# Altium PCB GameBoard_V1I1.PcbDoc (part 19 of 22) (continued)
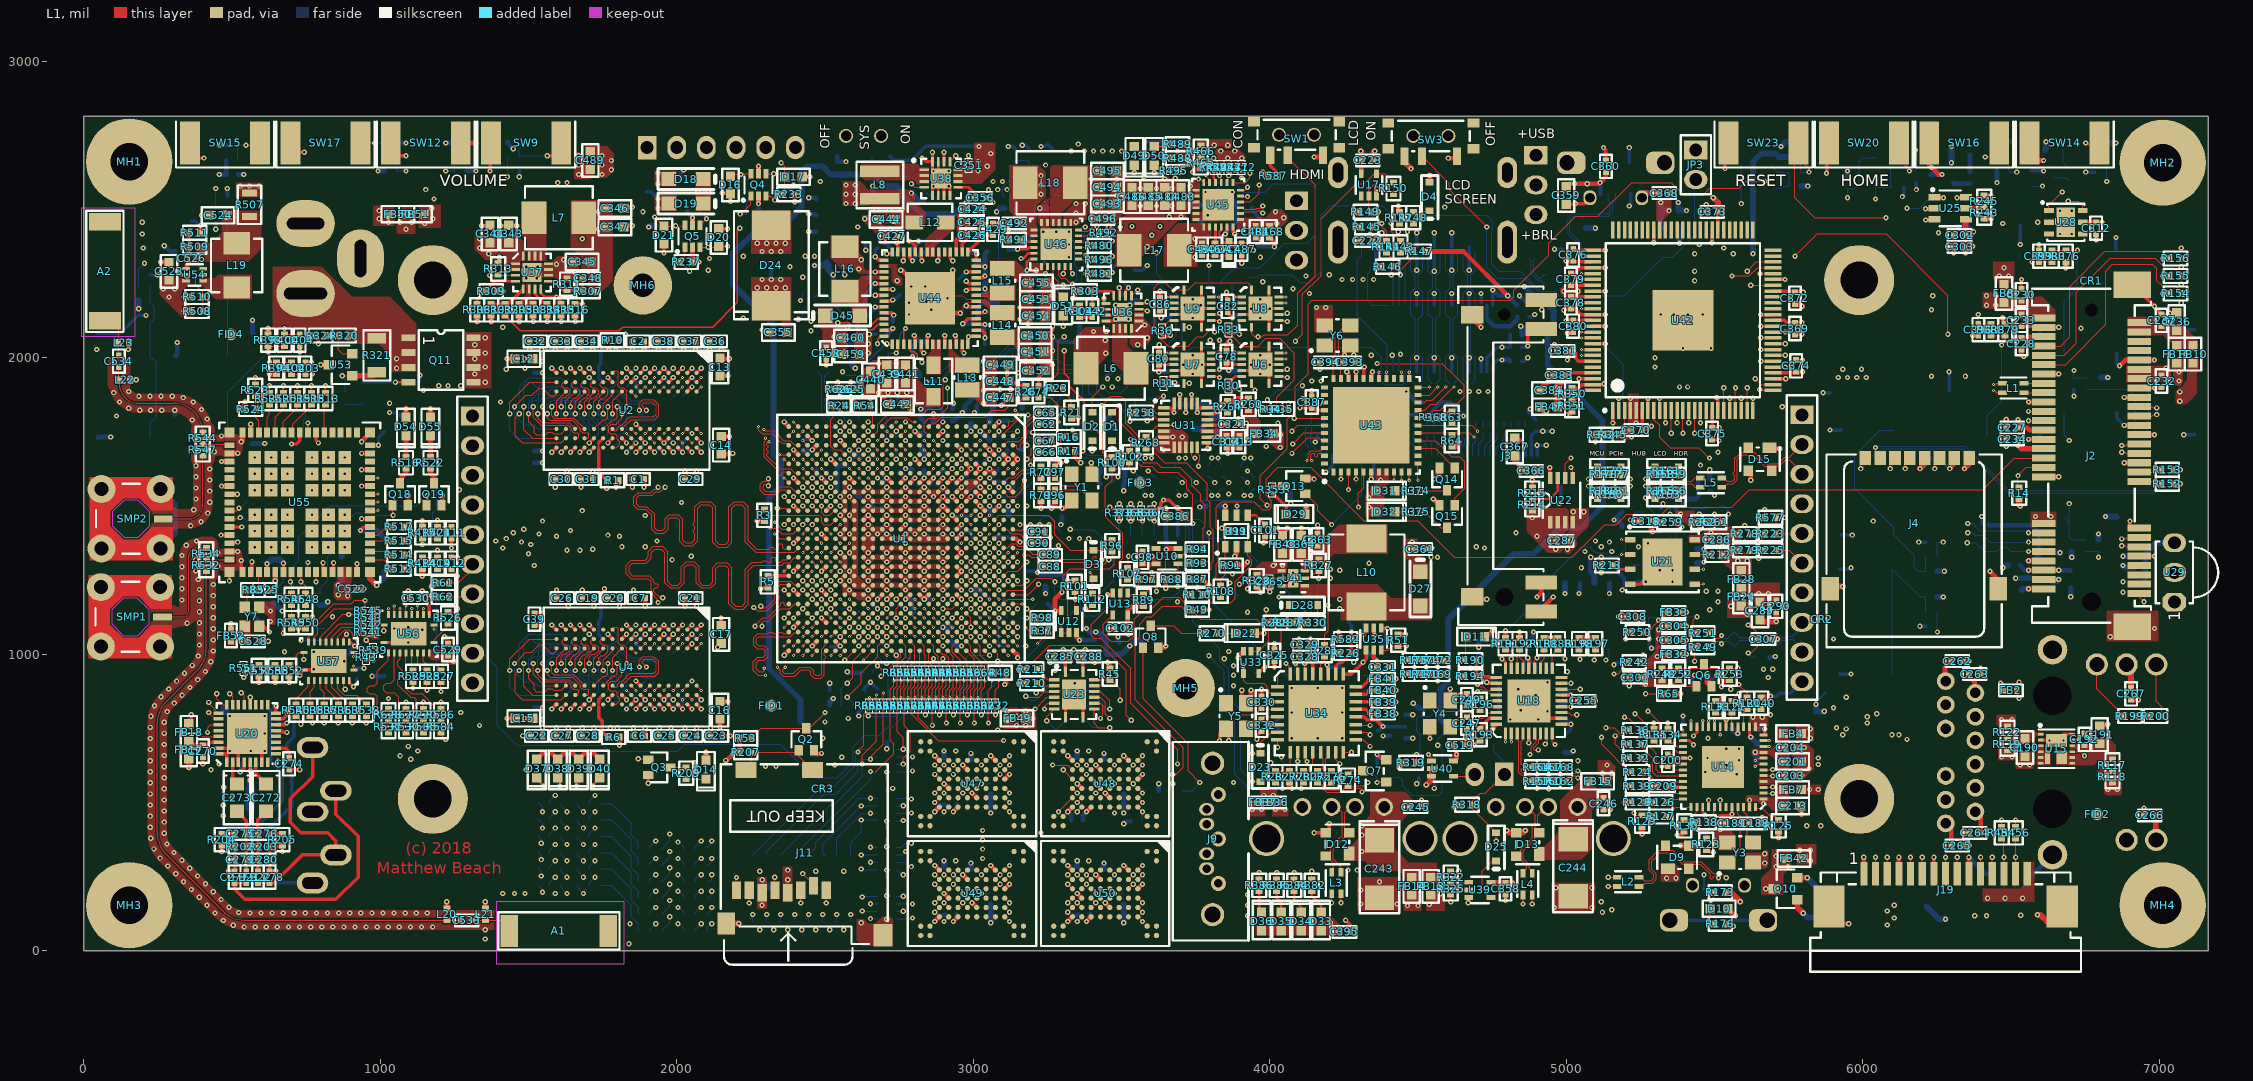
[diagram p0: L1 view]
## Nets (pads, with @x,y where several pads share a name; then routed paths per layer and width w, separated by ;. In a path a pad name is that pad's centre, name@x,y a point inside that pad or via, vN(x,y) a via of type N, cw(c..) or ccw(c..) an arc to the next point about the centre after c; other vN are vias at no path point) (continued)
  L12 w3.15: R293.2@4314.96,929.13 4326.77,929.13 v1(4338.58,917.32)
TS_Y-: C335.1 D30.3 FB40.2 LCD1.39 | length 1452.3
  L1 w11.81: FB40.2@4401.57,877.95 v1(4425.2,877.95)
  L10 w3.15: v6(4141.73,1740.16) 4134.84,1733.27 4134.84,1584.44 4152.35,1566.93 4181.1,1566.93 4441.93,1306.1 4441.93,1274.14 4441.93,1246.06 4447.83,1240.16 4466.02,1240.16 4471.93,1234.25 4471.93,1222.44 4466.02,1216.54 4429.95,1216.54 4424.05,1210.63 4424.05,1198.82 4429.95,1192.91 4466.02,1192.91 4471.93,1187.01 4471.93,1175.2 4466.02,1169.29 4431.1,1169.29 4425.19,1163.39 4425.19,1151.57 4431.1,1145.67 4466.02,1145.67 4471.93,1139.76 4471.93,1127.95 4466.02,1122.05 4431.1,1122.05 4425.19,1116.14 4425.19,1104.33 4431.1,1098.43 4436.02,1098.43 4441.93,1092.52 4441.93,975.39 4468.5,948.82 4468.5,905.51 4440.94,877.95 v1(4425.2,877.95)
  L11 w3.15: v6(4141.73,1740.16) v5(4141.73,1763.78)
  L12 w3.15: v5(4141.73,1763.78) 4141.73,1743.62 D30.3@4140.24,1742.12 4138.78,1740.66 4138.78,1708.66 4153.54,1693.9 LCD1.39@4153.54,1671.26 ; C335.1@4401.57,877.95 v1(4425.2,877.95)
TS_Y-_B: FB40.1 R292.2 U34.23 | length 100.8
  L1 w11.81: U34.23@4290.35,865.16 4325.79,865.16 v1(4338.58,877.95) FB40.1@4362.2,877.95
  L12 w3.15: R292.2@4314.96,877.95 v1(4338.58,877.95)
UART1_CTS: Q5.4 R236.1 R239.1 U1.G21 | length 2041
  L1 w3.15: Q5.4@2078.74,2446.85 v1(2100.39,2468.5) ; v2(2929.13,1122.05) U1.G21@2944.88,1137.8
  L10 w3.15: v1(2100.39,2468.5) 2125,2443.9 2125,2335.63 2330.71,2129.92 2330.71,2062.99 2518.7,1875 2518.7,1720.94 2562.99,1676.65 2562.99,1656.29 2576.56,1642.72 2666.34,1642.72 2696.85,1673.23 2766.52,1673.23 2818.9,1620.85 2818.9,1393.7 2807.09,1381.89 2807.09,1181.1 2818.9,1169.29 2905.51,1169.29 2929.13,1145.67 v2(2929.13,1122.05)
  L12 w3.15: R236.1@2074.8,2496.06 2100.39,2470.47 v1(2100.39,2468.5) 2076.77,2444.88 R239.1@2076.77,2433.07
UART1_CTS_FTDI: D20.1 J16.6 Q5.3 R239.2 | length 606.4
  L1 w3.15: Q5.3@2078.74,2372.05 v1(2106.3,2372.05) 2137.8,2372.05 D20.1@2141.73,2375.98 v1(2171.26,2375.98)
  L10 w3.15: v1(2171.26,2375.98) 2153.54,2393.7 2153.54,2467.73 2323.61,2637.8 2358.27,2637.8 2400.79,2680.32 2400.79,2708.66 J16.6@2389.76,2708.66
  L12 w3.15: R239.2@2076.77,2393.7 2084.65,2393.7 v1(2106.3,2372.05)
UART1_RTS: Q5.1 R237.1 R240.1 U1.G20 | length 2039.9
  L1 w3.15: Q5.1@2027.56,2372.05 2027.56,2338.58 R237.1@2011.81,2322.83 v1(2043.31,2291.34) ; v2(2897.64,1153.54) 2929.13,1153.54 U1.G20@2944.88,1169.29
  L10 w3.15: v1(2043.31,2291.34) 2070.87,2291.34 2094.49,2314.96 2113.84,2314.96 2224.41,2204.39 2243.76,2204.39 2314.96,2133.18 2314.96,2059.06 2510.83,1863.19 2510.83,1717.68 2555.12,1673.39 2555.12,1653.03 2573.3,1634.84 2609.25,1634.84 2632.87,1611.22 2655.51,1611.22 2685.04,1640.75 2777.77,1640.75 2787.4,1631.12 2787.4,1177.17 2811.02,1153.54 v2(2897.64,1153.54)
  L12 w3.15: R240.1@2025.59,2393.7 2025.59,2356.3 2043.31,2338.58 v1(2043.31,2291.34)
UART1_RTS_FTDI: D21.1 J16.2 Q5.6 R238.1 R240.2 | length 602.1
  L1 w3.15: v1(1925.2,2474.41) D21.1@1956.69,2442.91 1994.09,2442.91 v1(1996.06,2444.88) 2025.59,2444.88 Q5.6@2027.56,2446.85
  L10 w3.15: v1(1925.2,2474.41) 1946.08,2474.41 2000.79,2529.12 2000.79,2553.15 1994.88,2559.06 1976.69,2559.06 1970.79,2564.96 1970.79,2576.77 1976.69,2582.68 2021.34,2582.68 2027.25,2588.58 2027.25,2600.39 2021.34,2606.3 1976.69,2606.3 1970.79,2612.2 1970.79,2624.02 1976.69,2629.92 1994.88,2629.92 2000.79,2635.83 J16.2@2000.79,2708.66
  L12 w3.15: R238.1@1968.5,2444.88 v1(1996.06,2444.88) 2013.78,2444.88 R240.2@2025.59,2433.07
UART1_RXD: Q4.1 R231.1 R234.1 U1.M3 | length 2042.5
  L1 w3.15: v1(2214.14,2484.35) 2216.63,2484.35 2250,2517.72 Q4.1@2250,2545.28 ; v2(2771.65,1720.47) U1.M3@2787.4,1704.73
  L10 w3.15: v1(2214.14,2484.35) 2214.14,2497.09 2220.99,2503.94 2248.03,2503.94 2255.91,2511.81 2255.91,2547.24 2275.59,2566.93 2299.21,2566.93 2312.99,2553.15 2312.99,2487.2 2306.1,2480.31 2242.99,2480.31 2237.09,2474.41 2237.09,2462.6 2242.99,2456.69 2301.18,2456.69 2307.09,2450.79 2307.09,2433.07 2299.21,2425.2 2254.72,2425.2 2242.03,2437.88 2233.68,2437.88 2225.33,2429.53 2225.33,2421.18 2240.16,2406.35 2240.16,2397.64 2232.28,2389.76 2223.34,2389.76 2189.25,2423.86 2180.9,2423.86 2172.54,2415.5 2172.54,2407.15 2204.72,2374.97 2204.72,2366.14 2195.87,2357.28 2164.37,2357.28 2150.59,2343.5 2150.59,2321.17 2346.46,2125.31 2346.46,2066.93 2527.56,1885.83 2527.56,1723.22 2565.94,1684.83 2578.53,1672.24 2588.79,1672.24 2599.62,1661.42 2625.98,1661.42 2637.8,1673.23 2676.89,1673.23 2700.51,1696.85 2748.03,1696.85 v2(2771.65,1720.47)
  L12 w3.15: v1(2214.14,2484.35) 2214.24,2484.25 R231.1@2236.22,2484.25 2236.22,2527.56 2251.97,2543.31 R234.1@2251.97,2562.99
UART1_RXD_FTDI: D16.1 J16.4 Q4.6 R234.2 | length 651.1
  L1 w3.66: D16.1@2181.1,2612.2 2187.01,2618.11 v1(2216.54,2618.11) 2218.5,2620.08 Q4.6@2250,2620.08
  L10 w3.15: J16.4@2200.79,2708.66 2154.53,2662.4 2154.53,2653.16 2171.87,2635.83 2171.87,2624.02 2165.96,2618.11 2059.06,2618.11 2053.15,2612.2 2053.15,2600.39 2059.06,2594.49 2141.73,2594.49 2147.64,2588.58 2147.64,2572.83 2137.8,2562.99 2137.8,2547.24 2145.67,2539.37 2161.42,2539.37 2173.23,2551.18 2173.23,2604.33 2187.01,2618.11 v1(2216.54,2618.11)
  L12 w3.15: v1(2216.54,2618.11) 2232.28,2602.36 R234.2@2251.97,2602.36
UART1_TXD: Q4.4 R232.1 R235.1 U1.M1 | length 2041.5
  L1 w3.15: Q4.4@2301.18,2620.08 v1(2326.77,2620.08) ; v2(2771.65,1783.47) U1.M1@2787.4,1767.72
  L10 w3.15: v1(2326.77,2620.08) 2353.35,2620.08 2370.08,2603.35 2370.08,2582.68 2370.08,2576.77 2364.17,2570.87 2330.71,2570.87 2324.8,2564.96 2324.8,2553.15 2330.71,2547.24 2370.08,2547.24 2377.51,2547.24 2383.41,2541.34 2383.41,2529.53 2377.51,2523.62 2370.08,2523.62 2343.71,2523.62 2337.81,2517.72 2337.81,2505.91 2343.71,2500 2370.08,2500 2424.17,2500 2430.08,2494.09 2430.08,2482.28 2424.17,2476.38 2370.08,2476.38 2330.71,2476.38 2324.8,2470.47 2324.8,2458.66 2330.71,2452.76 2364.17,2452.76 ; 2354.33,2452.76 2364.17,2452.76 ; v2(2771.65,1783.47) 2710.63,1783.47 2663.39,1736.22 2640.54,1736.22 2628.94,1724.62 2628.94,1682.86 2620.29,1674.21 2608.06,1674.21 2598.43,1683.85 2598.43,1693.59 2597.44,1694.57 2597.44,1695.09 2586.82,1705.71 2574.8,1705.71 2565.94,1714.57 2565.94,1726.59 2557.3,1735.24 2547.03,1735.24 2536.42,1745.85 2536.42,1894.26 2362.2,2068.48 2362.2,2120.7 2204.72,2278.18 2204.72,2346.95 2267.23,2409.45 2381.89,2409.45 2389.76,2417.32 2389.76,2445.16 2382.17,2452.76 2364.17,2452.76
  L12 w3.15: R235.1@2299.21,2602.36 2316.93,2620.08 v1(2326.77,2620.08) 2344.49,2620.08 R232.1@2362.2,2602.36
UART1_TXD_FTDI: D17.1 J16.5 Q4.3 R233.1 R235.2 | length 602.1
  L1 w3.15: Q4.3@2301.18,2545.28 2316.93,2545.28 v1(2330.71,2531.5) 2338.58,2531.5 R233.1@2358.27,2551.18 2364.17,2557.09 D17.1@2364.17,2610.24 2364.17,2645.28 v1(2351.97,2657.48)
  L10 w3.15: J16.5@2300.79,2708.66 2255.91,2663.78 2255.91,2629.92 2204.72,2578.74 2204.72,2566.93 2212.6,2559.06 2224.41,2559.06 2322.83,2657.48 v1(2351.97,2657.48)
  L12 w3.15: R235.2@2299.21,2562.99 v1(2330.71,2531.5)
UART2_RXD: TP19.1 U1.D13 U34.32 | length 1774.2
  L1 w3.15: v1(4055.12,968.5) 4068.9,954.72 U34.32@4068.9,933.07
  L1 w3.94: U1.D13@3039.37,1389.76 v3(3055.12,1405.51)
  L3 w3.15: v4@3067.6,1393.7 3079.42,1405.51 3211.4,1405.51 3219.28,1413.39 3298.02,1413.39 3320.66,1436.02 3332.89,1436.02 3355.52,1413.39 3398.16,1413.39 3417.32,1394.22 3417.32,1386.81 3461.61,1342.52 3468.5,1342.52 3495.08,1315.94 3891.42,1315.94 3909.14,1333.66 3934.57,1333.66 3945.4,1322.83 4055.12,1322.83 4074.8,1303.15 4125.98,1303.15 4137.8,1314.96 4173.23,1314.96 4201.77,1286.42 v1(4204.72,1286.42)
  L10 w3.15: v1(4055.12,968.5) 4055.12,1187.01 4154.53,1286.42 v1(4204.72,1286.42)
  L2 w3.15: v3(3055.12,1405.51) v4(3066.93,1393.7)
  L12 w3.15: TP19.1@4055.12,929.13 v1(4055.12,968.5)
UART2_TXD: TP20.1 U1.C13 U34.31 | length 1762
  L1 w3.15: v1(4086.61,968.5) 4094.49,960.63 U34.31@4094.49,933.07
  L1 w3.94: U1.C13@3070.87,1389.76 v3(3086.62,1405.51)
  L3 w3.15: v4(3098.43,1393.7) 3163.39,1393.7 3178.15,1378.94 3279.32,1378.94 3305.89,1405.51 3394.89,1405.51 3405.51,1394.89 3405.51,1384.84 3455.71,1334.65 3465.24,1334.65 3491.82,1308.07 3894.69,1308.07 3912.4,1325.79 3931.31,1325.79 3942.14,1314.96 4051.86,1314.96 4071.54,1295.28 4101.07,1295.28 4106.97,1289.37 4106.97,1273.62 4112.88,1267.72 4124.69,1267.72 4130.6,1273.62 4130.6,1289.37 4136.5,1295.28 4161.42,1295.28 4200.79,1255.91 v1(4204.72,1255.91)
  L10 w3.15: v1(4086.61,968.5) 4073.82,981.3 4073.82,1185.25 4159.24,1270.67 4189.96,1270.67 v1(4204.72,1255.91)
  L2 w3.15: v3(3086.62,1405.51) v4(3098.43,1393.7)
  L12 w3.15: v1(4086.61,968.5) 4086.61,937.01 TP20.1@4094.49,929.13
UART3_CTS: R531.1 U1.D25 | length 2536.9
  L1 w3.15: R531.1@1027.56,736.22 1047.24,755.91 v1(1055.12,755.91) ; U1.D25@3039.37,1011.81 v2(3055.12,996.06)
  L10 w3.15: v1(1055.12,755.91) 1069.88,770.67 1280.51,770.67 1463.58,587.6 1709.65,587.6 1728.35,606.3 1856.3,606.3 1862.2,600.39 1862.2,584.64 1868.11,578.74 1879.92,578.74 1885.83,584.64 1885.83,600.39 1891.73,606.3 2261.81,606.3 2267.72,600.39 2267.72,582.2 2273.62,576.3 2285.43,576.3 2291.34,582.2 2291.34,600.39 2297.24,606.3 2309.05,606.3 2314.96,600.39 2314.96,582.2 2320.87,576.3 2332.68,576.3 2338.58,582.2 2338.58,600.39 2344.49,606.3 2361.99,606.3 2486.99,731.3 2510.83,731.3 2551.18,771.65 2551.18,787.92 2585.11,821.85 2606.51,821.85 2708.66,924 v2(2708.66,968.5)
  L12 w3.15: v2(2708.66,968.5) 2708.66,996.06 2724.41,1011.81 2755.91,1011.81 2807.09,960.63 2948.82,960.63 2984.25,996.06 v2(3055.12,996.06)
UART3_RTS: R530.1 R673.1 U1.F23 | length 2549.1
  L1 w3.15: R530.1@1086.61,736.22 1106.3,755.91 v1(1114.17,755.91) ; U1.F23@2976.38,1074.8 v2(2992.13,1059.06) ; R673.1@3051.18,837.2 3051.18,877.95 3062.99,889.76 v3(3062.99,909.45)
  L3 w3.15: v2(2992.13,1059.06) 3000,1051.18 3000,994.54 3062.99,931.55 v4(3062.99,930.51)
  L10 w3.15: v1(1114.17,755.91) 1148.41,755.91 1207.47,696.85 1291.34,696.85 1479.33,508.86 1997.05,508.86 2031.5,543.31 2345.26,543.31 2483.73,681.78 2512.33,681.78 2598.27,767.72 2611.43,767.72 2628.94,785.22 2628.94,810.04 2787.4,968.5 2922.64,968.5 2992.13,1037.99 v2(2992.13,1059.06)
  L2 w3.15: v3(3062.99,909.45) v4(3062.99,930.51)
UART3_RXD: R585.1 U1.G22 | length 2553.4
  L1 w3.15: R585.1@1145.67,736.22 1165.35,755.91 v1(1169.29,755.91) ; U1.G22@2944.88,1106.3 v2(2960.63,1122.05)
  L10 w3.15: v1(1169.29,755.91) 1207.68,755.91 1214.57,762.8 1226.38,762.8 1232.28,756.89 1232.28,726.38 1238.19,720.47 1250,720.47 1255.91,726.38 1255.91,750 1261.81,755.91 1271.65,755.91 1456.69,570.87 1724.92,570.87 1730.83,570.87 1736.73,576.77 1736.73,580.71 1742.64,586.62 1754.45,586.62 1760.35,580.71 1760.35,570.87 1760.35,554.13 1766.26,548.23 1778.07,548.23 1783.98,554.13 1783.98,570.87 1783.98,580.71 1789.88,586.62 1801.69,586.62 1807.6,580.71 1807.6,576.77 1813.5,570.87 1822.83,570.87 1884.84,570.87 1893.7,579.72 1909.66,579.72 1914.58,574.8 2005.91,574.8 2011.81,580.71 2011.81,588.58 2017.72,594.49 2029.53,594.49 2035.43,588.58 2035.43,571.78 2041.34,565.87 2053.15,565.87 2059.05,571.78 2059.05,588.58 2064.96,594.49 2076.77,594.49 2082.68,588.58 2082.68,572.83 2088.58,566.93 2100.39,566.93 2106.3,572.83 2106.3,588.14 2112.2,594.04 2124.02,594.04 2129.92,588.14 2129.92,570.87 2135.83,564.96 2147.64,564.96 2153.54,570.86 2153.54,588.14 2159.45,594.04 2171.26,594.04 2177.17,588.14 2177.17,572.83 2183.07,566.93 2194.88,566.93 2200.79,572.83 2200.79,588.58 2206.69,594.49 2218.5,594.49 2224.41,588.58 2224.41,572.83 2230.31,566.93 2339.26,566.93 2473.12,700.79 2500,700.79 2563.98,764.76 2563.98,789.58 2588.37,813.98 2610.6,813.98 2808.44,1011.81 2902.77,1011.81 2925.32,1034.36 2925.32,1086.73 2937.99,1099.41 2938.51,1099.41 2960.63,1121.53 v2(2960.63,1122.05)
UART3_TXD: R584.1 U1.F22 | length 2551.8
  L1 w3.15: R584.1@1204.72,736.22 1204.72,728.35 v1(1220.47,712.6) ; v2(2960.63,1090.55) U1.F22@2976.38,1106.3
  L10 w3.15: v1(1220.47,712.6) 1295.28,712.6 1467.52,540.35 1486.22,540.35 1492.13,534.45 1492.13,525.23 1498.03,519.33 1509.84,519.33 1515.75,525.23 1515.75,543.67 1521.65,549.57 1533.46,549.57 1539.37,543.67 1539.37,525.23 1545.28,519.33 1557.09,519.33 1562.99,525.23 1562.99,534.45 1568.9,540.35 1625.98,540.35 1631.89,540.35 1637.8,534.45 1637.8,522.64 1643.7,516.73 1655.51,516.73 1661.42,522.64 1661.42,534.45 1667.32,540.35 1679.13,540.35 1685.04,534.45 1685.04,522.64 1690.94,516.73 1702.76,516.73 1708.66,522.64 1708.66,534.45 1714.57,540.35 1720.47,540.35 1753.94,540.35 1759.84,534.45 1759.84,522.64 1765.75,516.73 1777.56,516.73 1783.46,522.64 1783.46,542.49 1789.37,548.39 1801.18,548.39 1807.09,542.49 1807.09,522.64 1812.99,516.73 1824.8,516.73 1830.71,522.64 1830.71,534.45 1836.61,540.35 1860.24,540.35 1866.14,546.26 1866.14,557.09 1872.05,562.99 1883.86,562.99 1889.76,557.09 1889.76,522.64 1895.67,516.73 1907.48,516.73 1913.39,522.64 1913.39,553.93 1919.29,559.83 1931.1,559.83 1937.01,553.93 1937.01,522.64 1942.91,516.73 1954.72,516.73 1960.63,522.64 1960.63,561.03 1966.54,566.93 1978.35,566.93 1984.25,561.03 1984.25,546.26 1990.16,540.35 2000.98,540.35 2019.68,559.06 2029.53,559.06 2037.4,551.18 2049.21,551.18 2057.09,559.06 2078.74,559.06 2082.68,555.12 2338.58,555.12 2476.38,692.91 2503.94,692.91 2566.93,755.91 2575.32,755.91 2599.41,779.99 2599.41,797.45 2608.06,806.1 2613.86,806.1 2807.76,1000 2912.8,1000 2940.94,1028.15 2940.94,1070.86 v2(2960.63,1090.55)
UART5_CTS: R581.1 R628.1 | length 3170.7
  L1 w3.15: R628.1@1027.56,814.96 v1(1027.56,850.39)
  L3 w3.15: v1(1027.56,850.39) 1054.13,823.82 1210.84,823.82 1228.35,841.33 1228.35,905.51 1220.47,913.39 1220.47,1032.48 1231.3,1043.31 1231.3,1261.15 1207.68,1284.77 1207.68,1356.65 1207.54,1356.78 1207.54,1376.2 1169.29,1414.45 1169.29,1511.81 1177.17,1519.69 1177.17,1547.37 1161.42,1563.12 1161.42,1768.7 1130.91,1799.21 1130.91,1895.88 1172.03,1937.01 1298.23,1937.01 1307.09,1928.15 1334.86,1928.15 1452.97,2046.26 1811.02,2046.26 1823.82,2059.06 2112.2,2059.06 2116.14,2055.12 2330.03,2055.12 2551.18,1833.97 v2(2551.18,1814.96)
  L12 w3.15: R581.1@2480.32,1688.98 2480.32,1708.66 2507.87,1736.22 2559.06,1736.22 2566.93,1744.09 2566.93,1795.28 2551.18,1811.02 v2(2551.18,1814.96)
UART5_RTS: R626.2 R627.1 | length 3237.1
  L1 w3.15: R627.1@1086.61,814.96 v1(1086.61,838.58) ; R626.2@2527.56,1893.7 2527.56,1897.64 v1@2547.24,1917.32
  L3 w3.15: v1(1086.61,838.58) 1133.86,885.83 1133.86,887.02 1133.86,899.61 1139.76,905.51 1167.32,905.51 1173.23,911.42 1173.23,923.23 1167.32,929.13 1133.86,929.13 1089.76,929.13 1083.86,935.04 1083.86,946.85 1089.76,952.76 1133.86,952.76 1148.45,952.76 1154.35,958.66 1154.35,970.47 1148.45,976.38 1133.86,976.38 1089.76,976.38 1083.86,982.28 1083.86,994.09 1089.76,1000 1133.86,1000 1167.32,1000 1173.23,1005.91 1173.23,1017.72 1167.32,1023.62 1139.76,1023.62 1133.86,1029.53 1133.86,1035.43 1186.02,1087.6 1186.02,1131.89 1165.35,1152.56 1165.35,1173.23 1156.5,1182.09 1156.5,1388.68 1118.11,1427.07 1118.11,1532.69 1062.99,1587.81 1062.99,1851.57 1086.61,1875.2 1086.61,1940.94 1141.73,1996.06 1298.02,1996.06 1312.78,2010.83 1338.37,2010.83 1348.22,2000.98 1360.45,2000.98 1451,2091.54 1706.69,2091.54 1729.33,2114.17 2141.73,2114.17 2176.18,2079.72 2362.09,2079.72 2496.93,1944.88 2519.69,1944.88 2543.31,1921.26 v1(2543.31,1917.32)
UART5_RXD: R220.1 U1.U6 | length 3228.3
  L1 w3.15: R220.1@1145.67,814.96 v1(1145.67,838.58) ; v3(2614.17,1625.98) U1.U6@2629.92,1610.24
  L3 w3.15: v1(1145.67,838.58) 1181.1,874.02 1181.1,1019.01 1193.9,1031.8 1193.9,1138.78 1200.79,1145.67 1200.79,1247.05 1164.37,1283.46 1164.37,1391.94 1125.98,1430.33 1125.98,1623.59 1101.38,1648.2 1101.38,1685.04 1101.38,1701.56 1107.28,1707.47 1112.21,1707.47 1118.11,1713.37 1118.11,1725.18 1112.21,1731.09 1101.38,1731.09 1084.64,1731.09 1078.74,1736.99 1078.74,1748.8 1084.64,1754.71 1101.38,1754.71 1112.21,1754.71 1118.11,1760.62 1118.11,1772.43 1112.21,1778.33 1107.28,1778.33 1101.38,1784.24 1101.38,1790.14 1101.38,1932.09 1149.61,1980.31 1327.45,1980.31 1339.26,1992.13 1366.14,1992.13 1451.77,2077.76 1722.44,2077.76 1749.02,2104.33 1891.73,2104.33 1904.53,2091.54 2138.78,2091.54 2158.46,2071.85 2358.83,2071.85 2528.12,1902.56 2546.26,1902.56 2574.8,1874.02 2574.8,1799.21 2566.93,1791.34 2566.93,1712.6 2560.04,1705.71 2560.04,1656.78 2602.36,1614.45 v4(2602.36,1614.17)
  L2 w3.15: v4(2602.36,1614.17) v3(2614.17,1625.98)
UART5_TXD: R586.1 U1.U7 | length 3207.8
  L1 w3.15: R586.1@1204.72,814.96 v1(1204.72,838.58) ; v3(2614.17,1594.49) U1.U7@2629.92,1578.74
  L3 w3.15: v1(1204.72,838.58) 1204.72,853.14 1219.49,867.9 1219.49,898.62 1201.77,916.34 1201.77,1100.6 1208.66,1107.49 1208.66,1250.31 1172.24,1286.73 1172.24,1400.36 1157.48,1415.13 1157.48,1514.55 1142.72,1529.32 1142.72,1570.87 1142.72,1573.82 1147.64,1578.74 1153.54,1584.65 1153.54,1596.46 1147.64,1602.36 1142.72,1607.28 1142.72,1614.17 1142.72,1644.69 1125.98,1661.42 1125.98,1675.2 1131.89,1681.1 1147.64,1681.1 1153.55,1687.01 1153.55,1698.82 1147.64,1704.72 1131.89,1704.72 1125.98,1710.63 1125.98,1722.44 1131.89,1728.35 1147.64,1728.35 1153.55,1734.25 1153.55,1746.06 1147.64,1751.97 1131.89,1751.97 1125.98,1757.87 1125.98,1763.78 1125.98,1779.53 1110.24,1795.28 1110.24,1893.7 1181.1,1964.57 1322.83,1964.57 1342.52,1984.25 1373.03,1984.25 1450.79,2062.01 1733.27,2062.01 1765.75,2094.49 1858.27,2094.49 1877.95,2074.8 2132.87,2074.8 2143.7,2063.98 2332.31,2063.98 2565.95,1830.34 2565.95,1808.85 2557.3,1800.2 2547.03,1800.2 2536.42,1789.58 2536.42,1705.71 2551.18,1690.94 2551.18,1654.5 2587.6,1618.08 2587.6,1610.45 2602.36,1595.68 v4(2602.36,1582.68)
  L2 w3.15: v4(2602.36,1582.68) v3(2614.17,1594.49)
USB0_CHD: TP1.1 U1.B8 | length 224.2
  L1 w3.15: U1.B8@3102.36,1547.24 3118.11,1531.5 3141.73,1531.5 3165.35,1555.12 3165.35,1578.74 v1(3173.23,1586.61)
  L12 w3.15: v1(3173.23,1586.61) 3173.23,1602.36 3185.04,1614.17 3204.72,1614.17 3228.35,1637.8 TP1.1@3228.35,1662.4
USB0_ID: D10.1 J5.4 R173.1 R176.2 U1.T4 U39.2 | length 5410.9
  L1 w3.15: U1.T4@2661.42,1673.23 v3(2677.16,1657.48) ; v1(4641.73,204.72) U39.2@4671.26,204.72 ; R176.2@5500,90.55 5486.22,104.33 D10.1@5486.22,141.73 5486.22,169.29 5500,183.07 R173.1@5500,196.85
  L3 w3.15: v4(2688.98,1669.29) 2707.47,1669.29 2766.52,1610.24 2935.24,1610.24 2945.87,1620.87 2945.87,1632.1 2954.51,1640.75 2969.25,1640.75 2991.14,1662.64 2991.14,1730.11 3007.87,1746.84 3007.87,1776.55 3089.6,1858.27 3589.2,1858.27 3621.68,1890.75 3867.13,1890.75 3885.83,1909.45 3955.71,1909.45 3983.27,1881.89 4090.55,1881.89 v1(4110.24,1862.2)
  L10 w3.15: v1(4110.24,1862.2) 4057.86,1862.2 4043.31,1847.65 4043.31,1811.02 4051.18,1803.15 4051.18,1720.47 4059.06,1712.6 4059.06,1670.28 4071.85,1657.48 4071.85,1532.17 4086.61,1517.41 4086.61,1489.54 4126.35,1449.8 4167.53,1449.8 4176.18,1441.15 4176.18,1421.26 4298.23,1299.21 4298.23,671.05 4271.86,644.69 4210.63,644.69 4139.76,573.82 4139.76,545.28 4122.05,527.56 4086.61,527.56 4066.93,507.87 4066.93,460.63 4121.91,405.65 4121.91,378.09 4161.42,338.58 4161.42,169.29 4193.47,137.24 4363.24,137.24 4446.47,220.47 4625.98,220.47 v1(4641.73,204.72) 4708.66,204.72 4807.09,106.3 5074.8,106.3 5081.69,99.41 5215.55,99.41 5216.54,98.43 5295.28,177.17 5480.31,177.17 v1(5488.19,169.29)
  L2 w3.15: v3(2677.16,1657.48) v4(2688.98,1669.29)
  L12 w3.15: v1(5488.19,169.29) J5.4@5488.19,207.68
USB0_ID_BUFF: D25.1 U39.4 | length 162.4
  L1 w3.15: U39.4@4746.06,179.13 4716.54,208.66 4716.54,267.72 4751.21,302.39 D25.1@4763.78,302.39
USB0_ID_BUFF_EN: R19.2 R325.2 U1.H21 | length 2775.2
  L1 w3.15: v2(2897.64,1122.05) U1.H21@2913.39,1137.8 ; v1(4610.24,165.35) R325.2@4610.24,188.98
  L3 w3.15: v2(2897.64,1122.05) 2908.25,1122.05 2929.13,1101.17 2929.13,1080.87 2945.87,1064.13 2945.87,1049.13 2952.68,1042.32 2967.68,1042.32 2976.38,1033.62 2976.38,988.19 3027.56,937.01 3027.56,925.62 3034.48,918.7 3064.36,918.7 3110.03,873.03 3189.96,873.03 3192.91,870.08 v1(3212.6,870.08)
  L10 w3.15: v1(3212.6,870.08) 3212.6,846.46 3192.91,826.77 3192.91,801.96 3185.04,794.08 3185.04,775.59 3196.85,763.78 3196.85,610.24 3212.6,594.49 3212.6,484.25 3251.97,444.88 3251.97,145.67 3283.46,114.17 3669.29,114.17 3736.22,47.24 4492.13,47.24 v1(4610.24,165.35)
  L12 w3.15: R19.2@2866.14,1090.55 v2(2897.64,1122.05)
USB0_ID_BUFF_EN_R: R322.1 R325.1 U39.1 | length 61.8
  L1 w3.15: R322.1@4610.24,228.35 4669.29,228.35 U39.1@4671.26,230.32
USB0_N: R160.2 R162.2 U1.B6 | length 2872
  L1 w3.74: U1.B6@3102.36,1610.24 v3(3118.11,1625.98) ; v1(4940.94,594.49) 4960.63,574.8 R160.2@4960.63,570.87
  L3 w3.54: v4(3129.92,1614.17) 3143.97,1614.17 3156.96,1601.18 3187.77,1601.18 3233.84,1555.12 3330.71,1555.12 3372.05,1513.78 3411.18,1513.78 3456.45,1468.5 3456.45,1458.68 3476.47,1438.67 3481.68,1438.67 3486.09,1434.25 3498.16,1434.25 3502.58,1438.67 3506.89,1438.67 3520.36,1425.2 3721.46,1425.2 3728.15,1418.5 3779.05,1418.5 3800.51,1439.96 4068.9,1439.96 4079.22,1429.64 4079.22,1420.54 4097.2,1402.56 4367.13,1402.56 4417.32,1452.75 4559.73,1452.75 4637.88,1374.61 4659.84,1374.61 4663.39,1371.06 4663.39,1367.13 4666.34,1364.17 4671.26,1364.17 4674.21,1367.13 4674.21,1371.65 4677.17,1374.61 4684.45,1374.61 v1(4696.85,1362.2)
  L10 w3.54: v1(4696.85,1362.2) 4696.85,1360.24 4706.69,1350.39 4706.69,1332.68 4744.09,1295.28 4783.46,1295.28 4866.14,1212.6 4866.14,1047.24 4844.83,1025.93 4844.83,978.01 4807.09,940.27 4807.09,814.96 4840.26,781.79 4840.26,638.77 4860.91,618.11 4893.7,618.11 4917.32,641.73 4944.88,641.73 4956.69,629.92 4956.69,600.39 4950.79,594.49 v1(4940.94,594.49)
  L2 w3.15: v3(3118.11,1625.98) v4(3129.92,1614.17)
USB0_OTG_L_N: D9.4 J5.2 L2.2 | length 476.8
  L1 w3.74: L2.2@5245.08,248.03 5251.97,248.03 5263.48,236.52 5287.4,236.52 5295.28,244.39 5295.28,255.9 5279.53,271.65 5279.53,307.25 5310.47,338.19 5358.82,338.19 5396.81,300.2 5455.71,300.2 5494.09,261.81 5523.62,261.81 v1(5539.37,246.06)
  L12 w3.74: J5.2@5539.37,207.68 v1(5539.37,246.06)
USB0_OTG_L_P: D9.2 J5.3 L2.1 | length 475
  L1 w3.74: L2.1@5245.08,216.54 5251.97,216.54 5263.48,228.05 5290.91,228.05 5303.74,240.88 5303.74,259.41 5287.99,275.16 5287.99,303.74 5294.29,310.04 5300.2,310.04 5303.15,312.99 5303.15,318.9 5313.98,329.72 5355.32,329.72 5371.06,313.98 5371.06,308.07 5374.02,305.12 5379.92,305.12 5393.31,291.73 5452.2,291.73 5485.24,258.7 5485.24,245.08 5488.19,242.13 5493.11,242.13 5496.06,245.08 5496.06,250.39 5499.02,253.35 5506.5,253.35 v1(5513.78,246.06)
  L12 w3.74: J5.3@5513.78,207.68 v1(5513.78,246.06)
USB0_OTG_N: L2.3 R162.1 | length 594
  L1 w3.74: R162.1@5000,570.87 5000,583.97 5006.29,590.26 5030.19,590.26 5037.77,582.68 v1(5039.37,582.68) ; v1(5141.73,248.03) L2.3@5172.24,248.03
  L10 w3.54: v1(5039.37,582.68) 5038.08,582.68 5030.21,590.55 5017.72,590.55 5007.87,580.71 5007.87,571.85 5010.83,568.9 5015.75,568.9 5018.7,565.94 5018.7,562.01 5015.75,559.06 5010.83,559.06 5007.87,556.1 5007.87,536.11 4992.13,520.36 4992.13,370.08 4996.06,366.14 4996.06,359.25 4992.13,355.32 4992.13,346.46 4997.05,341.54 5003.94,341.54 5007.87,337.6 5007.87,330.71 5089.57,249.02 5095.47,249.02 5098.43,246.06 5098.43,240.16 5102.36,236.22 5129.92,236.22 v1(5141.73,248.03)
USB0_OTG_P: L2.4 R168.1 | length 594.4
  L1 w3.74: R168.1@5000,618.11 5000,605.31 5006.59,598.72 5030.19,598.72 5037.77,606.3 v1(5039.37,606.3) ; v1(5141.73,216.54) L2.4@5172.24,216.54
  L10 w3.54: v1(5039.37,606.3) 5038.08,606.3 5030.21,598.43 5014.45,598.43 5000,583.97 5000,539.37 4984.25,523.62 4984.25,343.2 5099.1,228.35 5129.92,228.35 v1(5141.73,216.54)
USB0_P: R167.2 R168.2 U1.A6 | length 2871.4
  L1 w3.74: U1.A6@3133.86,1610.24 v3(3149.61,1625.98) ; R167.2@4960.63,618.11 4960.63,614.17 v1(4980.32,594.49)
  L3 w3.54: v4(3161.42,1614.17) 3162.51,1614.17 3167.63,1609.06 3173.71,1609.06 3177.25,1612.6 3177.25,1617.13 3180.21,1620.08 3185.13,1620.08 3188.08,1617.13 3188.08,1612.01 3237.1,1562.99 3333.97,1562.99 3375.31,1521.65 3414.44,1521.65 3459.71,1476.38 3496.58,1476.38 3514.76,1458.19 3514.76,1441.93 3523.62,1433.07 3724.72,1433.07 3731.41,1426.38 3775.79,1426.38 3797.24,1447.83 4072.16,1447.83 4087.09,1432.9 4087.09,1423.8 4100.46,1410.43 4363.86,1410.43 4414.06,1460.63 4562.99,1460.63 4641.14,1382.48 4697.62,1382.48 4721.83,1358.27 v1(4724.41,1358.27)
  L10 w3.54: v1(4724.41,1358.27) 4714.57,1348.43 4714.57,1335.94 4719.49,1331.02 4727.05,1331.02 4731.3,1326.77 4731.3,1319.21 4747.36,1303.15 4786.73,1303.15 4874.02,1215.86 4874.02,1043.98 4852.7,1022.67 4852.7,974.75 4814.96,937.01 4814.96,818.22 4848.13,785.05 4848.13,642.03 4864.17,625.98 4890.44,625.98 4914.06,649.61 4948.14,649.61 4964.57,633.18 4964.57,600.39 4970.47,594.49 v1(4980.32,594.49)
  L2 w3.15: v3(3149.61,1625.98) v4(3161.42,1614.17)
USB1_HUB_N: R171.1 U18.30 | length 424.2
  L1 w3.74: v3(4448.82,944.88) 4456.69,944.88 R171.1@4468.5,933.07 ; v1(4700.79,897.64) 4702.39,897.64 4709.97,890.06 4720.37,890.06 4734.15,876.28 4744,876.28 4749.61,881.89 U18.30@4763.78,881.89
  L3 w3.54: 4454.83,953.15 4452.76,951.08 4452.76,937.99 4458.66,932.09 4466.54,932.09 4470.47,936.02 4470.47,939.96 4473.43,942.91 4477.36,942.91 4480.31,939.96 4480.31,935.04 4483.27,932.09 4594.8,932.09 4637.12,889.76 4681.7,889.76 4691.63,889.76 4699.5,897.64 v1(4700.79,897.64) ; 4454.85,953.15 4458.39,956.69 v4(4460.63,956.69)
  L2 w3.15: v3(4448.82,944.88) v4(4460.63,956.69)
USB1_HUB_P: R175.1 U18.31 | length 423
  L1 w3.74: v3(4448.82,968.5) 4456.69,968.5 R175.1@4468.5,980.31 ; v1(4700.79,874.02) 4702.39,874.02 4709.97,881.59 4716.87,881.59 4730.65,867.81 4744,867.81 4749.61,862.2 U18.31@4763.78,862.2
  L3 w3.54: v4(4437.01,956.69) 4439.25,956.69 4442.79,953.15 ; 4442.81,953.15 4444.88,951.08 4444.88,934.73 4455.4,924.21 4591.54,924.21 4633.86,881.89 4678.44,881.89 4691.63,881.89 4699.5,874.02 v1(4700.79,874.02)
  L2 w3.15: v4(4437.01,956.69) v3(4448.82,968.5)
USB1_N: R170.2 R171.2 U1.F10 | length 2202.3
  L1 w3.74: v3(2960.63,1468.51) U1.F10@2976.38,1484.25 ; v1(4488.19,956.69) 4507.87,937.01 R170.2@4507.87,933.07
  L3 w3.54: v4(2972.44,1480.32) 2979.33,1480.32 2984.25,1475.39 2984.25,1440.94 2999,1426.2 3045.66,1426.2 3071.94,1452.48 3339.53,1452.48 3358.94,1433.07 3398.31,1433.07 3483.94,1347.44 3619.77,1347.44 3636.5,1330.71 3664.37,1330.71 3673.23,1339.57 3845.67,1339.57 3851.38,1345.28 3859.45,1353.35 3947.33,1353.35 3955.4,1345.28 4052.36,1345.28 4066.93,1330.71 4395.89,1330.71 4411.63,1314.96 4468.51,1314.96 4487.01,1333.46 4509.06,1333.46 4512.8,1329.72 4512.8,1325.79 4515.75,1322.83 4520.67,1322.83 4523.62,1325.79 4523.62,1329.72 4527.36,1333.46 4538.8,1333.46 4544.29,1327.97 v1(4544.29,1326.77)
  L10 w3.54: v1(4488.19,956.69) 4500,956.69 4503.94,960.63 4503.94,1038.7 4551.18,1085.94 4551.18,1317.61 4544.29,1324.5 v1(4544.29,1326.77)
  L2 w3.15: v3(2960.63,1468.51) v4(2972.44,1480.32)